# Altium PCB DM2097.PcbDoc (part 1 of 7) (continued)
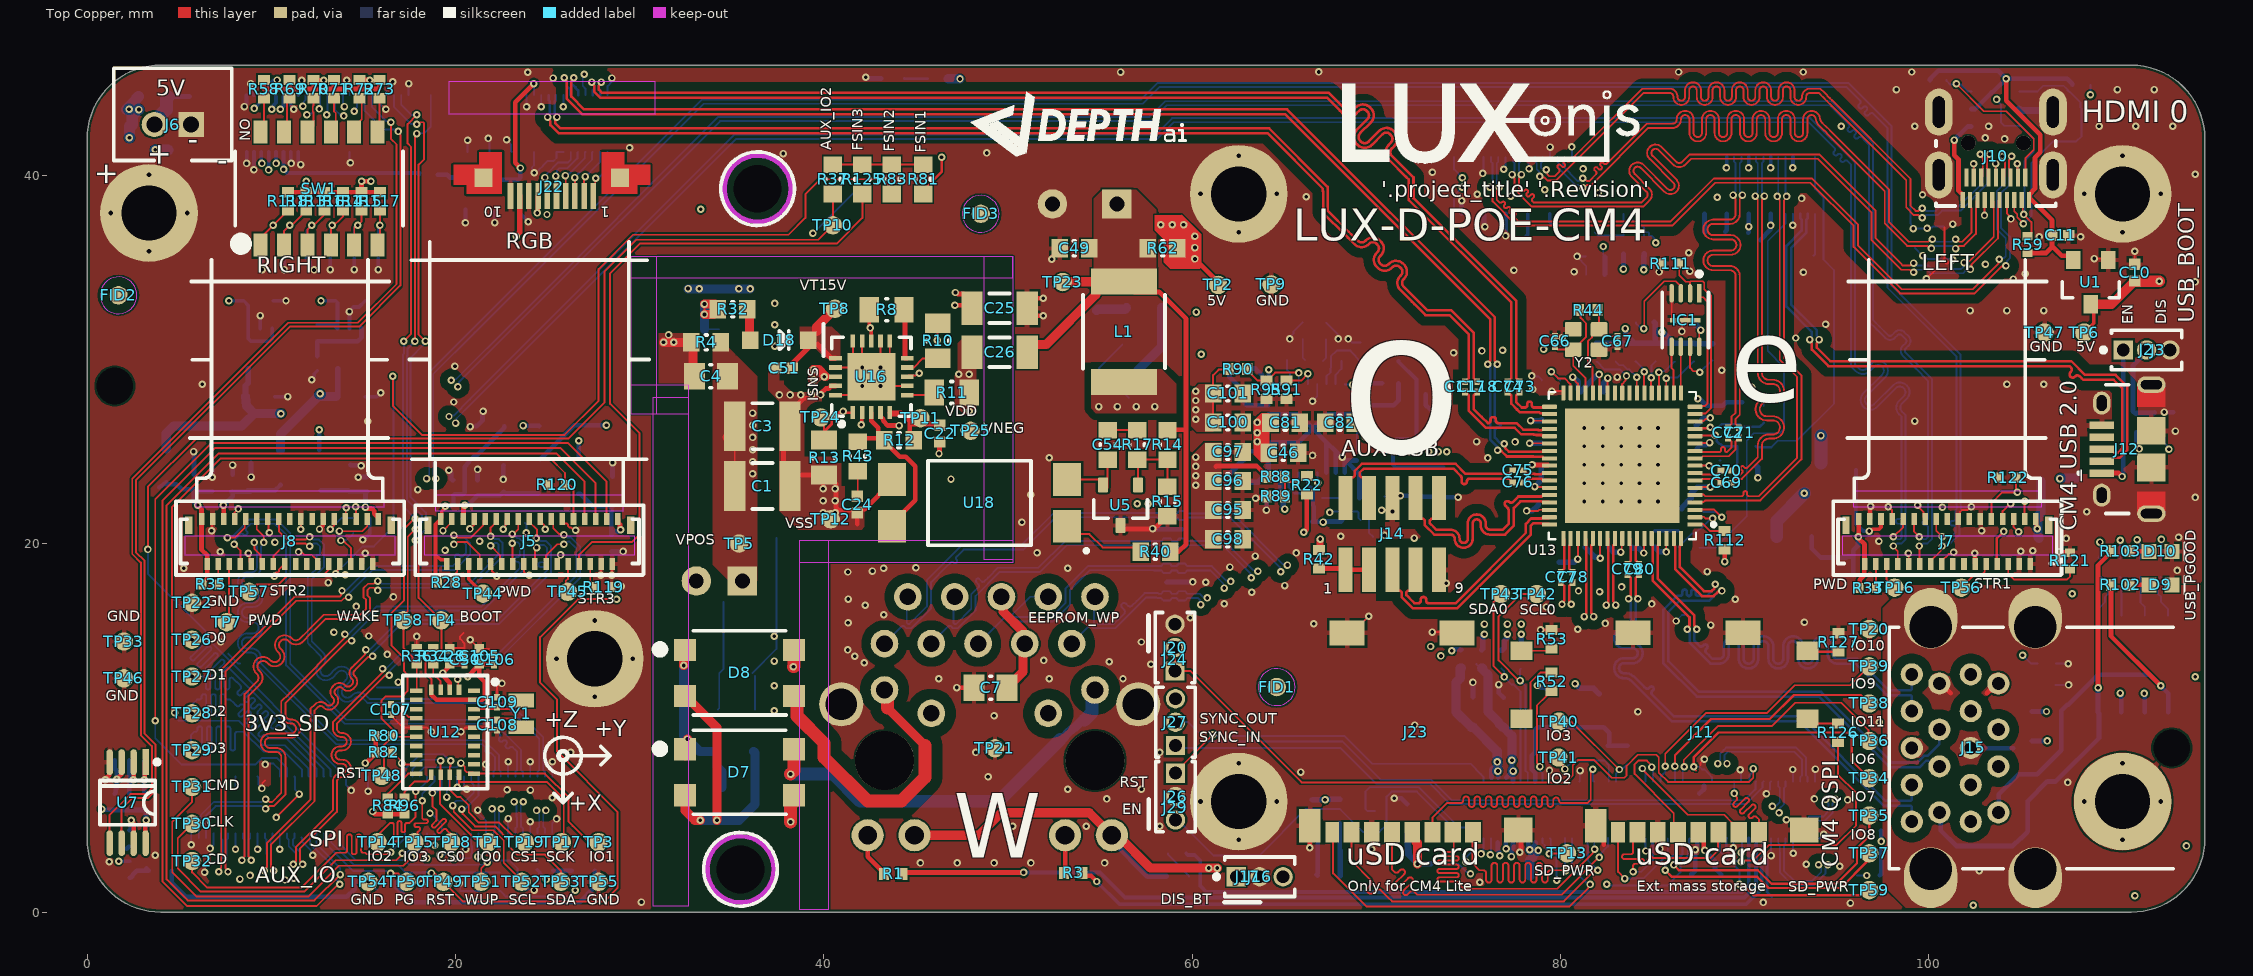
[diagram p0: Top Copper view]
## Classes and differential pairs
component class DM2097_EEPROM: C120 R128 R129 R130 R131 R132 R133 R134 U7
net class PoE_SELV: CT1 CT2 SP1 SP2
net class uSD2: SD2X_CLK SD2X_CMD SD2X_D0 SD2X_D1 SD2X_D2 SD2X_D3
net class USB_CM4: CM_USB_D_N CM_USB_D_P
net class PCIe: PCIE_CLK_N PCIE_CLK_P PCIE_RX_N PCIE_RX_P PCIE_TX_N PCIE_TX_P
net class USB_AUX: SSRX2_N SSRX2_P SSTX2_N SSTX2_P USBD2_N USBD2_P
net class USB_SOM: SSRX1'_N SSRX1'_P SSRX1_N SSRX1_P SSTX1'_N SSTX1'_P SSTX1_N SSTX1_P USBD1_N USBD1_P
net class USB_CON2: SSRX4_N SSRX4_P SSTX4_N SSTX4_P USBD4_N USBD4_P
net class USB_CON1: SSRX3_N SSRX3_P SSTX3_N SSTX3_P USBD3_N USBD3_P
component class DM2097_IMU: C28 C30 C105 C106 C107 C108 C109 R34 R36 R80 R82 R84 R96 TP4 TP48 TP58 U12 Y1
component class U_CONNECTOR_B: C111 C112 C117 C118 J21 R51 R74 TP6
differential pair class 90ohm: CM_USB_D SSRX1 SSRX1' SSRX2 SSRX3 SSRX4 SSTX1 SSTX1' SSTX2 SSTX2' SSTX3 SSTX3' SSTX4 SSTX4' USBD1 USBD2 USBD3 USBD4
component class DM2097_PoE: C1 C2 C3 C4 C5 C22 C24 C25 C26 C47 C48 C49 C51 C52 C53 C54 D15 D16 D18 FB10 FB11 L1 R4 R8 R10 R11 R12 R13 R14 R15 R17 R23 R32 R40 R43 T1 TP5 TP8 TP9 TP11 TP12 TP23 TP24 TP25 U5 U16 U18
net class PoE: NetC48_2 SWO VNEG VNEG_IN VPOS VPOS_IN VSEC VSS
net class ETH: TRD1_N TRD1_P TRD2_N TRD2_P TRD3_N TRD3_P TRD4_N TRD4_P
component class DM2097_CM4: C6 C89 C91 C92 D4 D5 J9 J16 J17 J20 J24 J26 J27 J29 R7 R9 R16 R54 R55 R56 R57 R63 R66 R100 R101 TP34 TP35 TP36 TP37 TP38 TP39 TP40 TP41 TP42 TP43 U11
net class SPI: GPIO8/SPI0_CS_1 SPI0_CS_0 SPI0_SCK SPI0_SIO0 SPI0_SIO1 SPI0_SIO2 SPI0_SIO3
net class SDIO: SD_HST0_CD SD_HST0_CLK SD_HST0_CMD SD_HST0_D0 SD_HST0_D1 SD_HST0_D2 SD_HST0_D3
polygon class OuterGND: GND_L01_P775 GND_L06_P803
net class uSD: SDX_CLK SDX_CMD SDX_D0 SDX_D1 SDX_D2 SDX_D3
net class HDMI: HDMI_CLK_N HDMI_CLK_P HDMI_D0_N HDMI_D0_P HDMI_D1_N HDMI_D1_P HDMI_D2_N HDMI_D2_P
component class DM2097_RIGHT_OV9282: C36 C37 C38 C40 C44 C50 FB5 FB7 FB9 J8 R35 R123 R124 TP7 TP57
differential pair class 100ohm: HDMI_CLK HDMI_D0 HDMI_D1 HDMI_D2 MIPI_RX2_C MIPI_RX2_D0 MIPI_RX2_D1 MIPI_RX3_C MIPI_RX3_D0 MIPI_RX3_D1 MIPI_RX4_C MIPI_RX4_D0 MIPI_RX4_D1 MIPI_RX5_D0 MIPI_RX5_D1 PCIE_CLK PCIE_RX PCIE_TX PCIERX PCIETX TRD1 TRD2 TRD3 TRD4
component class DM2097_CM4_HS: J13 R64
component class DM2097_BOOT_AUX_uSD: C87 C119 J11 J22 J23 R52 R53 R58 R69 R70 R71 R72 R73 R76 R77 R78 R79 R85 R86 R113 R114 R115 R116 R117 R118 R126 R127 SW1 TP13 TP59
component class DM2097_LEFT_OV9282: C29 C31 C32 C33 C34 C35 FB4 FB6 FB8 J7 R33 R37 R81 R83 R121 R122 R125 TP16 TP56
component class DM2097_Power_Supply: C8 C18 C19 C21 C39 C41 C42 C43 C45 C46 C81 C82 C83 C84 C85 C86 C88 C93 C94 C95 C96 C97 C98 C99 C100 C101 C102 C103 C104 D6 J6 L2 L5 L6 R22 R30 R31 R62 R65 R67 R68 R88 R89 R90 R91 R92 R93 R94 R95 R109 tc TP2 U8 U9 U10
component class DM2097_IMX378: C12 C13 C14 C15 C16 C17 FB1 FB2 FB3 J5 R28 R119 R120 TP44 TP45
component class DM2097_HUB: C9 C20 C23 C27 C55 C56 C57 C58 C59 C60 C61 C62 C63 C64 C65 C66 C67 C68 C69 C70 C71 C72 C73 C74 C75 C76 C77 C78 C79 C80 C90 C110 C113 C114 C115 C116 D3 D9 D10 IC1 J12 J14 J15 R6 R19 R20 R24 R25 R38 R39 R41 R42 R44 R45 R46 R47 R48 R49 R87 R97 R98 R99 R102 R103 R104 R105 R106 R107 R110 R111 R112 U6 U13 Y2
component class DM2097_HDMI: C10 C11 J10 Q3 Q4 R26 R27 R59 R60 R61 U1 U2
component class DM2097_RJ45: C7 D1 D2 D7 D8 D17 J4 R1 R3 R5
component class U_CONNECTOR_A: B1 D11 D12 J1 M1 MTG5 MTG6 MTG7 MTG8 MTG9 MTG10 Q2 Q6 R18 R21 R50 R75 R108 TP1 TP3 TP10 TP14 TP15 TP17 TP18 TP19 TP20 TP21 TP22 TP26 TP27 TP28 TP29 TP30 TP31 TP32 TP33 TP46 TP47 TP49 TP50 TP51 TP52 TP53 TP54 TP55
component class DM2097_BootSel: J2 J3 Q1 R2
net class MIPI_CAM_C: MIPI_RX3_C_N MIPI_RX3_C_P MIPI_RX3_D0_N MIPI_RX3_D0_P MIPI_RX3_D1_N MIPI_RX3_D1_P
net class MIPI_CAM_B: MIPI_RX2_C_N MIPI_RX2_C_P MIPI_RX2_D0_N MIPI_RX2_D0_P MIPI_RX2_D1_N MIPI_RX2_D1_P
net class MIPI_CAM_A: MIPI_RX4_C_N MIPI_RX4_C_P MIPI_RX4_D0_N MIPI_RX4_D0_P MIPI_RX4_D1_N MIPI_RX4_D1_P MIPI_RX5_D0_N MIPI_RX5_D0_P MIPI_RX5_D1_N MIPI_RX5_D1_P
net class Power_trace: 1V2 1V2_L 1V2_R 1V05 1V05_IMX378 1V8 1V8_IMX378 1V8_L 1V8_R 2V8 2V8_IMX378 2V8_L 2V8_R 3V3 5V_PoE CM_3V3 GPIO0-27_VREF H5V NetC8_2 VBUS VBUS_USB3 VBUS_USB4 VBUSB VDD_5V
component class DM2097_TopLevel: FID1 FID2 FID3 FID4 FID5 FID6
differential pair SSRX1': +SSRX1'_P -SSRX1'_N
differential pair USBD1: +USBD1_P -USBD1_N
differential pair SSTX4: +SSTX4_P -SSTX4_N
differential pair SSTX4': +SSTX4'_P -SSTX4'_N
differential pair SSTX3: +SSTX3_P -SSTX3_N
differential pair SSTX3': +SSTX3'_P -SSTX3'_N
differential pair SSTX2: +SSTX2_P -SSTX2_N
differential pair SSTX2': +SSTX2'_P -SSTX2'_N
differential pair SSTX1: +SSTX1_P -SSTX1_N
differential pair SSTX1': +SSTX1'_P -SSTX1'_N
differential pair SSRX4: +SSRX4_P -SSRX4_N
differential pair SSRX3: +SSRX3_P -SSRX3_N
differential pair SSRX2: +SSRX2_P -SSRX2_N
differential pair SSRX1: +SSRX1_P -SSRX1_N
differential pair PCIETX: +PCIETX_P -PCIETX_N
differential pair PCIERX: +PCIERX_P -PCIERX_N
differential pair PCIE_TX: +PCIE_TX_P -PCIE_TX_N
differential pair PCIE_RX: +PCIE_RX_P -PCIE_RX_N
differential pair PCIE_CLK: +PCIE_CLK_P -PCIE_CLK_N
differential pair MIPI_RX5_D1: +MIPI_RX5_D1_P -MIPI_RX5_D1_N
differential pair MIPI_RX5_D0: +MIPI_RX5_D0_P -MIPI_RX5_D0_N
differential pair MIPI_RX4_D1: +MIPI_RX4_D1_P -MIPI_RX4_D1_N
differential pair MIPI_RX4_D0: +MIPI_RX4_D0_P -MIPI_RX4_D0_N
differential pair MIPI_RX4_C: +MIPI_RX4_C_P -MIPI_RX4_C_N
differential pair CM_USB_D: +CM_USB_D_P -CM_USB_D_N
differential pair USBD4: +USBD4_P -USBD4_N
differential pair USBD3: +USBD3_P -USBD3_N
differential pair TRD4: +TRD4_P -TRD4_N
differential pair TRD3: +TRD3_P -TRD3_N
differential pair TRD2: +TRD2_P -TRD2_N
differential pair TRD1: +TRD1_P -TRD1_N
differential pair HDMI_D1: +HDMI_D1_P -HDMI_D1_N
differential pair USBD2: +USBD2_P -USBD2_N
differential pair HDMI_D2: +HDMI_D2_P -HDMI_D2_N
differential pair HDMI_D0: +HDMI_D0_P -HDMI_D0_N
differential pair HDMI_CLK: +HDMI_CLK_P -HDMI_CLK_N
differential pair MIPI_RX3_D1: +MIPI_RX3_D1_P -MIPI_RX3_D1_N
differential pair MIPI_RX3_D0: +MIPI_RX3_D0_P -MIPI_RX3_D0_N
differential pair MIPI_RX3_C: +MIPI_RX3_C_P -MIPI_RX3_C_N
differential pair MIPI_RX2_D1: +MIPI_RX2_D1_P -MIPI_RX2_D1_N
differential pair MIPI_RX2_D0: +MIPI_RX2_D0_P -MIPI_RX2_D0_N
differential pair MIPI_RX2_C: +MIPI_RX2_C_P -MIPI_RX2_C_N

## Components (designator, comment, footprint, x,y, rotation, side; value= is the part's Value field where it differs from the comment)
B1 "Off-Mom, 50mA" DTSM-32N-V 44.491,39.228 r180 bottom locked
C1 "1uF 1210" CAPC1210(3225)280_N 36.671,23.143 r180 top
C2 "12uF 6.3mm" EEU-FC2A120 34.334,17.987 r180 bottom locked
C3 "1uF 1210" CAPC1210(3225)280_N 36.671,26.394 r180 top
C4 "0.1UF 0805" CAPC0805(2012)145_N 33.877,29.112 r0 top
C5 "1nF 0603 C0G" CAPC0603(1608)100_N 54.019,32.675 r180 bottom
C6 "1uF 0402" CAPC0402(1005)70_N 79.075,8.684 r180 bottom
C7 "0.1UF 0805" CAPC0805(2012)145_N 49.058,12.191 r0 top
C8 "1uF 0402" CAPC0402(1005)70_L 5.9,44.3 r180 bottom
C9 "1nF 0603 C0G" CAPC0603(1608)100_N 79.604,22.123 r180 bottom
C10 "0.1uF 0402" CAPC0402(1005)70_N 111.195,34.726 r270 top
C11 "0.1uF 0402" CAPC0402(1005)70_N 107.15,36.75 r180 top
C12 "0.1uF 0402" CAPC0402(1005)70_L 21.2,23.017 r270 bottom
C13 "10uF 0603" CAPC0603(1608)100_L 22.62,23.467 r270 bottom
C14 "0.1uF 0402" CAPC0402(1005)70_L 28.47,20.04 r90 bottom
C15 "10uF 0603" CAPC0603(1608)100_L 28.54,22.84 r270 bottom
C16 "0.1uF 0402" CAPC0402(1005)70_L 19.89,23.017 r270 bottom
C17 "10uF 0603" CAPC0603(1608)100_L 21.1,25.6 r270 bottom
C18 "22uF 0603" CAPC0603(1608)100_L 2.3,42 r90 bottom
C19 "22uF 0603" CAPC0603(1608)100_L 5.1,41.4 r180 bottom
C20 "0.1uF 0402" CAPC0402(1005)70_N 86.944,26.441 r0 bottom
C21 "10uF 0603" CAPC0603(1608)100_N 14.3,33.2 r180 bottom
C22 "0.1uF 0402" CAPC0402(1005)60_N 46.289,25.986 r90 top
C23 "0.1uF 0402" CAPC0402(1005)70_N 81.099,27.826 r90 bottom
C24 "10nF 0402" CAPC0402(1005)60_N 41.82,22.135 r90 top
C25 "1nF 1206" CAPC1206(3216)190_N 49.547,32.795 r0 top
C26 "1nF 1206" CAPC1206(3216)190_N 49.547,30.408 r0 top
C27 "0.1uF 0402" CAPC0402(1005)70_N 85.141,20.269 r270 bottom
C28 "10uF 0402" CAPC0402(1005)70_L 19.7,13.9 r270 top
C29 "0.1uF 0402" CAPC0402(1005)70_N 95.6,21.1 r0 bottom
C30 "0.1uF 0201" CAPC0201(0603)33_L 20.5,13.7 r270 top
C31 "10uF 0603" CAPC0603(1608)100_N 95.2,22.5 r0 bottom
C32 "0.1uF 0402" CAPC0402(1005)70_N 106.45,20.3 r180 bottom
C33 "10uF 0603" CAPC0603(1608)100_N 106.9,21.7 r180 bottom
C34 "0.1uF 0402" CAPC0402(1005)70_N 95.6,19.8 r0 bottom
C35 "10uF 0603" CAPC0603(1608)100_N 95.1,18.3 r0 bottom
C36 "0.1uF 0402" CAPC0402(1005)70_L 7.9,23.25 r270 bottom
C37 "10uF 0603" CAPC0603(1608)100_L 8.9,23.6 r270 bottom
C38 "0.1uF 0402" CAPC0402(1005)70_L 15.2,23.25 r270 bottom
C39 "10uF 0603" CAPC0603(1608)100_N 14.3,28 r180 bottom
C40 "10uF 0603" CAPC0603(1608)100_L 14.2,23.6 r270 bottom
C41 "10uF 0603" CAPC0603(1608)100_N 9.3,33.2 r180 bottom
C42 "10uF 0603" CAPC0603(1608)100_N 9.4,28 r180 bottom
C43 "2.2uF 0402" CAPC0402(1005)70_N 66.073,21.209 r180 bottom
C44 "0.1uF 0402" CAPC0402(1005)70_L 5.8,23.25 r270 bottom
C45 "47nF 0402" CAPC0402(1005)70_N 70.764,28.727 r0 bottom
C46 "22uF 0603" CAPC0603(1608)100_N 64.96,24.94 r0 top
C47 "1000uF 8mm" ECA-0JM102 54.172,38.459 r180 bottom locked
C48 "100uF 1206" CAPC1206(3216)190_N 57.499,25.912 r0 bottom
C49 "22NF 0603" CAPC0603(1608)100_N 53.613,36.046 r0 top
C50 "10uF 0603" CAPC0603(1608)100_L 6.8,23.6 r270 bottom
C51 "1uF 0402" CAPC0402(1005)70_N 37.839,29.54 r0 top
C52 "0.1UF 0805" CAPC0805(2012)145_N 35.376,6.786 r180 bottom
C53 "0.1UF 0805" CAPC0805(2012)145_N 35.223,12.983 r180 bottom
C54 "2.2nF 0603" CAPC0603(1608)100_N 55.414,25.376 r90 top
C55 "0.1uF 0402" CAPC0402(1005)70_N 86.995,23.089 r0 bottom
C56 "1uF 0402" CAPC0402(1005)70_N 79.408,25.476 r180 bottom
C57 "10uF 0402" CAPC0402(1005)70_N 81.356,20.262 r270 bottom
C58 "1nF 0603 C0G" CAPC0603(1608)100_N 79.934,19.812 r270 bottom
C59 "0.1uF 0402" CAPC0402(1005)70_N 82.352,27.826 r90 bottom
C60 "0.1uF 0402" CAPC0402(1005)70_N 82.626,20.262 r270 bottom
C61 "0.1uF 0402" CAPC0402(1005)70_N 79.408,24.206 r180 bottom
C62 "0.1uF 0402" CAPC0402(1005)70_N 83.871,20.262 r270 bottom
C63 "1uF 0402" CAPC0402(1005)70_N 79.433,26.746 r180 bottom
C64 "10uF 0402" CAPC0402(1005)70_N 86.951,25.176 r0 bottom
C65 "1uF 0402" CAPC0402(1005)70_N 91.044,27.026 r270 bottom
C66 "33pF 0201" CAPC0201(0603)33_L 79.7,31 r270 top
C67 "33pF 0201" CAPC0201(0603)33_L 83.1,31 r90 top
C68 "10uF 0402" CAPC0402(1005)70_N 86.411,20.269 r270 bottom
C69 "0.1uF 0201" CAPC0201(0603)33_L 89.001,23.317 r180 top
C70 "0.1uF 0201" CAPC0201(0603)33_L 89.001,23.978 r180 top
C71 "0.1uF 0201" CAPC0201(0603)33_L 89.71,26.035 r270 top
C72 "0.1uF 0201" CAPC0201(0603)33_L 89.103,26.035 r270 top
C73 "0.1uF 0201" CAPC0201(0603)33_L 77.79,28.53 r90 top
C74 "0.1uF 0201" CAPC0201(0603)33_L 77.14,28.53 r90 top
C75 "0.1uF 0201" CAPC0201(0603)33_L 77.699,24.003 r180 top
C76 "0.1uF 0201" CAPC0201(0603)33_L 77.698,23.343 r180 top
C77 "0.1uF 0201" CAPC0201(0603)33_L 80.021,18.186 r270 top
C78 "0.1uF 0201" CAPC0201(0603)33_L 80.67,18.186 r270 top
C79 "0.1uF 0201" CAPC0201(0603)33_L 83.642,18.618 r270 top
C80 "0.1uF 0201" CAPC0201(0603)33_L 84.277,18.618 r270 top
C81 "22uF 0603" CAPC0603(1608)100_N 65.06,26.585 r0 top
C82 "22uF 0603" CAPC0603(1608)100_N 68.025,26.58 r180 top
C83 "22uF 0603" CAPC0603(1608)100_N 70.46,23.381 r270 bottom
C84 "22uF 0603" CAPC0603(1608)100_N 73.655,23.358 r270 bottom
C85 "22uF 0603" CAPC0603(1608)100_N 72.923,26.505 r90 bottom
C86 "22uF 0603" CAPC0603(1608)100_N 72.061,23.362 r270 bottom
C87 "4.7uF 0603" CAPC0603(1608)100_N 71.69,5.075 r270 bottom
C88 "0.1uF 0402" CAPC0402(1005)70_L 12.5,29.8 r90 bottom
C89 "22uF 0603" CAPC0603(1608)100_N 75.22,10.84 r90 bottom
C90 "0.1uF 0402" CAPC0402(1005)70_N 106.425,12.33 r0 bottom
C91 "22uF 0603" CAPC0603(1608)100_N 76.925,10.84 r90 bottom
C92 "22uF 0603" CAPC0603(1608)100_N 77.335,2.05 r180 bottom
C93 "47nF 0402" CAPC0402(1005)70_N 62.323,23.349 r180 bottom
C94 "10nF 0402" CAPC0402(1005)60_N 64.507,22.486 r180 bottom
C95 "22uF 0603" CAPC0603(1608)100_N 61.945,21.844 r0 top
C96 "22uF 0603" CAPC0603(1608)100_N 61.945,23.419 r0 top
C97 "22uF 0603" CAPC0603(1608)100_N 61.945,24.994 r0 top
C98 "22uF 0603" CAPC0603(1608)100_N 61.945,20.244 r0 top
C99 "47nF 0402" CAPC0402(1005)70_N 62.297,29.522 r180 bottom
C100 "22uF 0603" CAPC0603(1608)100_N 61.945,26.594 r0 top
C101 "22uF 0603" CAPC0603(1608)100_N 61.945,28.169 r0 top
C102 "10nF 0402" CAPC0402(1005)60_N 66.014,31.584 r90 bottom
C103 "10nF 0402" CAPC0402(1005)60_N 68.64,22.486 r0 bottom
C104 "10nF 0402" CAPC0402(1005)60_N 67.284,31.558 r90 bottom
C105 "10uF 0402" CAPC0402(1005)70_L 21.3,13.9 r270 top
C106 "0.1uF 0201" CAPC0201(0603)33_L 22.1,13.7 r270 top
C107 "0.1uF 0201" CAPC0201(0603)33_L 16.5,11 r270 top
C108 "18pF 0201" CAPC0201(0603)33_L 22.26,10.156 r90 top
C109 "18pF 0201" CAPC0201(0603)33_L 22.26,11.402 r270 top
C110 "0.1uF 0402" CAPC0402(1005)70_N 86.708,32.029 r0 bottom
C111 "10uF 0603" CAPC0603(1608)100_N 22.15,38.975 r90 bottom
C112 "10uF 0603" CAPC0603(1608)100_N 20.55,38.975 r90 bottom
C113 "22uF 0603" CAPC0603(1608)100_N 106.176,5.988 r0 bottom
C114 "22uF 0603" CAPC0603(1608)100_N 106.162,4.395 r0 bottom
C115 "22uF 0603" CAPC0603(1608)100_N 106.4,9.3 r180 bottom
C116 "22uF 0603" CAPC0603(1608)100_N 106.4,10.9 r180 bottom
C117 "0.1uF 0201" CAPC0201(0603)33_L 74.83,28.53 r270 top
C118 "0.1uF 0201" CAPC0201(0603)33_L 75.49,28.53 r270 top
C119 "4.7uF 0603" CAPC0603(1608)100_N 87.925,2.05 r0 bottom
C120 "0.1uF 0402" CAPC0402(1005)70_L 3.2,4 r90 bottom
D1 "TPD4E02B04DQAR" TPD4E02B04DQAR 59.034,17.927 r90 bottom
D2 "TPD4E02B04DQAR" TPD4E02B04DQAR 59.06,20.789 r270 bottom
D3 "BAS16XV2T1G" BAS16XV2T1G 89.87,27.03 r270 bottom
D4 "GREEN 0603" SML_D1xx8W 96.725,2 r0 bottom
D5 "RED 0603" SML_D1xx8W 67.437,2 r180 bottom
D6 "RED 0603" SML_D1xx8W 43.74,45.275 r0 bottom
D7 "CD-HD01" CD-H01 35.425,7.6 r90 top
D8 "CD-HD01" CD-H01 35.426,13 r90 top
D9 "GREEN 0603" SML_D1xx8W 112.586,17.773 r180 top
D10 "GREEN 0603" SML_D1xx8W 112.586,19.593 r180 top
D11 "ORANGE 0603" SML_D1xx8W 3.975,2.25 r180 bottom
D12 "ORANGE 0603" SML_D1xx8W 26.95,2.25 r180 bottom
D15 "PDS1040" PDS1040-13 55.95,29.449 r180 bottom locked
D16 "RS1B" RS1B 31.413,30.281 r270 bottom
D17 "GREEN 0603" SML_D1xx8W 59.219,1.945 r180 bottom
D18 "1N4148W" 1N4148W-7-F 37.592,31.064 r180 top
FB1 "600R/100MHz" 2508056017Y2 23.6,26.4 r180 bottom
FB2 "600R/100MHz" 2508056017Y2 26.675,23.667 r270 bottom
FB3 "600R/100MHz" 2508056017Y2 24.51,23.667 r270 bottom
FB4 "600R/100MHz" 2508056017Y2 92.7,20.4 r0 bottom
FB5 "600R/100MHz" 2508056017Y2 4.3,24.15 r270 bottom
FB6 "600R/100MHz" 2508056017Y2 107.075,23.575 r180 bottom
FB7 "600R/100MHz" 2508056017Y2 12.6,24.15 r270 bottom
FB8 "600R/100MHz" 2508056017Y2 95.1,24.4 r0 bottom
FB9 "600R/100MHz" 2508056017Y2 10.5,24.15 r270 bottom
FB10 "700R/150Mhz" 742792040 34.207,9.834 r90 bottom
FB11 "700R/150Mhz" 742792040 36.188,9.834 r90 bottom
FID1 "FIDUCIAL_ROUND_1MM" FIDUCIAL_ROUND_1MM 64.6,12.225 r90 top
FID2 "FIDUCIAL_ROUND_1MM" FIDUCIAL_ROUND_1MM 1.7,33.5 r0 top
FID3 "FIDUCIAL_ROUND_1MM" FIDUCIAL_ROUND_1MM 48.525,37.925 r90 top
FID4 "FIDUCIAL_ROUND_1MM" FIDUCIAL_ROUND_1MM 109.1,1.8 r90 bottom
FID5 "FIDUCIAL_ROUND_1MM" FIDUCIAL_ROUND_1MM 67.65,35.175 r90 bottom
FID6 "FIDUCIAL_ROUND_1MM" FIDUCIAL_ROUND_1MM 4.75,30.675 r0 bottom
IC1 "MX25L1006EZUI-10G" MX25L1006EZUI-10G-Footprint-1 86.792,32.156 r270 top
J1 "DF40HC(3.0)-100DS-0.4V SOCKET" DF40HC-3.0-100DS-0.4V_minpad 15.46,5.828 r270 bottom locked
J2 "1.27MM PTH" GRPB031VWVN-RC 111.836,30.531 r0 top
J3 "1.27mm hdr shunt" M50-1900005 112.468,30.519 r0 top
J4 "802.3af PoE" TRJG0926HENL 49.015,8.239 r180 bottom locked
J5 "FH26W-33S-0.3SHW(60)" AC-PY004-IMX378 24,30 r0 top locked
J6 "B2B-PH-K-S(LF)(SN)" B2B-PH-K-S(LF)(SN) 4.65,43.325 r0 top locked
J7 "FH26W-33S-0.3SHW(60)" AC-PY003-OV9282 101,30 r0 top locked
J8 "FH26W-33S-0.3SHW(60)" AC-PY003-OV9282 11,30 r0 top locked
J9 "Raspberry Pi Compute Module 4" CM4-Connector-B 86.531,22.509 r270 bottom locked
J10 "685119248123" 685119248123 103.651,42.099 r180 top locked
J11 "uSD push/pull" 104031-0811 87.675,9.76 r0 top locked
J12 "Micro-B USB 2.0" 10118194-0001LF 110.748,25.147 r90 top locked
J13 "Raspberry Pi Compute Module 4" CM4-Connector-A 86.531,22.508 r270 bottom locked
J14 "20021121-00010T1LF" 20021121-00010T1LF 70.875,20.542 r0 top
J15 "GSB311231HR" GSB311231HR 107.715,8.919 r90 top locked
J16 "1.27MM PTH" GRPB031VWVN-RC 63.675,1.925 r0 top locked
J17 "1.27mm hdr shunt" M50-1900005 63.025,1.925 r180 top
J20 "1.27MM PTH" GRPB031VWVN-RC 59.075,14.37 r90 top
J21 "DF40HC(3.0)-100DS-0.4V SOCKET" DF40HC-3.0-100DS-0.4V_minpad 18.46,42.828 r270 bottom locked
J22 "SFV10R-2STE1HLF Top Contact" SFV10R-2STE1HLF 25.23,39.39 r180 top locked
J23 "uSD push/pull" 104031-0811 72.147,9.76 r0 top locked
J24 "1.27mm hdr shunt" M50-1900005 59.075,13.7 r270 top
J26 "1.27MM PTH" GRPB031VWVN-RC 59.1,6.28 r270 top
J27 "1.27MM PTH" GRPB031VWVN-RC 59.1,10.32 r90 top
J29 "1.27mm hdr shunt" M50-1900005 59.1,5.675 r270 top
L1 "1uH 2.9A" DO1608C-102MLx 56.305,31.525 r90 top locked
L2 "1uH, 3.2A, 20%" DFE252012P-1R0M=P2 70.908,26.524 r270 bottom
L5 "1uH, 3.2A, 20%" DFE252012P-1R0M=P2 61.831,25.204 r180 bottom
L6 "1uH, 3.2A, 20%" DFE252012P-1R0M=P2 61.831,27.667 r180 bottom
M1 "RE1C002UNTCL" RE1C002UNTCL 19.65,1.65 r270 bottom
MTG5 "M2, 3MM steel spacer on M2.5 mounting pad" 9774030943R 110.531,39.008 r0 bottom locked
MTG6 "M2, 3MM steel spacer on M2.5 mounting pad" 9774030943R 62.531,6.008 r0 bottom locked
MTG7 "M2, 3MM steel spacer on M2.5 mounting pad" 9774030943R 3.36,37.97 r0 bottom locked
MTG8 "M2, 3MM steel spacer on M2.5 mounting pad" 9774030943R 27.56,13.77 r0 bottom locked
MTG9 "M2, 3MM steel spacer on M2.5 mounting pad" 9774030943R 110.531,6.008 r180 bottom locked
MTG10 "M2, 3MM steel spacer on M2.5 mounting pad" 9774030943R 62.531,39.008 r180 bottom locked
Q1 "DMG1012T-7" DMG1012T-7 112.776,26.492 r270 bottom
Q2 "RE1C002UNTCL" RE1C002UNTCL 15.136,1.733 r270 bottom
Q3 "DMG1012T-7" DMG1012T-7 108.4,44.3 r270 bottom
Q4 "DMG1012T-7" DMG1012T-7 81.883,36.275 r90 bottom
Q6 "RE1C002UNTCL" RE1C002UNTCL 17.44,1.65 r270 bottom
R1 "470R 0402" RESC0402(1005)_N 43.764,2.083 r180 top
R2 "47K 0402" RESC0402(1005)_N 111.277,26.568 r90 bottom
R3 "470R 0402" RESC0402(1005)_N 53.543,2.134 r180 top
R4 "18K 0603" RESC0603(1608)_N 33.61,30.941 r0 top
R5 "470R 0402" RESC0402(1005)_N 59.185,3.195 r180 bottom
R6 "10K 0402" RESC0402(1005)_N 87.274,30.396 r90 bottom
R7 "0R 0603" RESC0603(1608)_N 82.109,11.062 r90 bottom
R8 "88.7K 0805" RESC0805(2012)_N 43.413,32.717 r0 top
R9 "0R 0603" RESC0603(1608)_N 79.499,11.062 r90 bottom
R10 "48.7R 0805" RESC0805(2012)_N 46.188,31.025 r270 top
R11 "24.3k 0805" RESC0805(2012)_N 46.95,28.221 r0 top
R12 "4.99k 0603" RESC0603(1608)_N 44.088,25.632 r0 top
R13 "0.62R 0805" RESC0805(2012)_N 40.015,24.69 r270 top
R14 "36.5k 0603" RESC0603(1608)_N 58.665,25.376 r90 top
R15 "12.1k 0603" RESC0603(1608)_N 58.659,22.303 r90 top
R16 "1.8K 0402" RESC0402(1005)_N 73.45,2.62 r180 bottom
R17 "0R 0603" RESC0603(1608)_N 57.014,25.376 r90 top
R18 "470R 0402" RESC0402(1005)_N 22.4,1.65 r90 bottom
R19 "10K 0402" RESC0402(1005)_N 85.166,30.396 r90 bottom
R20 "10K 0402" RESC0402(1005)_N 83.007,30.396 r90 bottom
R21 "1K 0402" RESC0402(1005)_L 2.323,2.326 r90 bottom
R22 "10K 0402" RESC0402(1005)_N 66.231,23.182 r270 top
R23 "6.8R 0805" RESC0805(2012)_N 57.397,32.821 r0 bottom
R24 "10K 0402" RESC0402(1005)_N 81.951,30.39 r90 bottom
R25 "6.04K 0402" RESC0402(1005)_L 79.439,28.867 r180 bottom
R26 "47K 0402" RESC0402(1005)_N 84.55,36.25 r270 bottom
R27 "100K 0402" RESC0402(1005)_N 83.432,36.25 r270 bottom
R28 "10K 0402" RESC0402(1005)_L 19.5,17.9 r0 top
R30 "1K 0402" RESC0402(1005)_N 46.16,45.265 r0 bottom
R31 "10K 0402" RESC0402(1005)_N 68.662,21.285 r180 bottom
R32 "10R 0603" RESC0603(1608)_N 35.052,32.741 r180 top
R33 "10K 0402" RESC0402(1005)_L 96.7,17.6 r180 top
R34 "10K 0402" RESC0402(1005)_L 18.799,13.9 r90 top
R35 "10K 0402" RESC0402(1005)_L 6.7,17.8 r180 top
R36 "10K 0402" RESC0402(1005)_L 17.9,13.9 r90 top
R37 "22R 0603" RESC0603(1608)_N 40.5,39.8 r90 top
R38 "10K 0402" RESC0402(1005)_N 90.153,24.206 r0 bottom
R39 "1K 0402" RESC0402(1005)_L 88.697,24.975 r270 bottom value=1k
R40 "2.05k 0603" RESC0603(1608)_N 58.014,19.583 r0 top
R41 "10K 0402" RESC0402(1005)_N 88.77,27.01 r270 bottom
R42 "0R 0402" RESC0402(1005)_N 66.884,19.163 r90 top
R43 "0R 0603" RESC0603(1608)_N 41.845,24.755 r90 top
R44 "1M 0402" RESC0402(1005)_N 81.509,32.69 r180 top
R45 "0R 0402" RESC0402(1005)_N 87.554,20.295 r90 bottom
R46 "10K 0402" RESC0402(1005)_N 87.097,21.92 r0 bottom
R47 "0R 0402" RESC0402(1005)_N 90.119,25.298 r180 bottom
R48 "10K 0402" RESC0402(1005)_N 84.607,32.029 r0 bottom
R49 "100K 0402" RESC0402(1005)_L 88.264,30.408 r90 bottom
R50 "10K 0402" RESC0402(1005)_L 23.375,1.675 r90 bottom
R51 "0R 0402" RESC0402(1005)_N 18.534,40.04 r180 bottom
R52 "0R 0402" RESC0402(1005)_N 79.525,12.525 r270 top
R53 "0R 0402" RESC0402(1005)_N 79.525,14.825 r270 top
R54 "1.8K 0402" RESC0402(1005)_N 82.58,8.535 r90 bottom
R55 "1.8K 0402" RESC0402(1005)_N 83.83,8.535 r90 bottom
R56 "1.8K 0402" RESC0402(1005)_N 77.86,13.72 r90 bottom
R57 "1.8K 0402" RESC0402(1005)_N 76.795,13.735 r90 bottom
R58 "1K 0402" RESC0402(1005)_N 9.596,44.7 r90 top
R59 "1.8K 0402" RESC0402(1005)_L 105.375,36.25 r270 top
R60 "1.8K 0402" RESC0402(1005)_L 100.52,45.19 r180 bottom
R61 "100K 0402" RESC0402(1005)_N 81.908,34.624 r0 bottom
R62 "0R 0603" RESC0603(1608)_N 58.4,36.055 r0 top
R63 "0R 0402" RESC0402(1005)_N 74.63,13.76 r270 bottom
R64 "1K 0402" RESC0402(1005)_N 93.751,35.154 r90 bottom
R65 "0R 0603" RESC0603(1608)_N 3.6,44.3 r180 bottom
R66 "0R 0402" RESC0402(1005)_N 75.72,13.75 r270 bottom
R67 "45.3K 0402" RESC0402(1005)_N 70.714,29.947 r0 bottom
R68 "10K 0402" RESC0402(1005)_N 69.164,30.429 r270 bottom
R69 "1K 0402" RESC0402(1005)_N 11,44.7 r90 top
R70 "1K 0402" RESC0402(1005)_N 12.3,44.7 r90 top
R71 "1K 0402" RESC0402(1005)_N 13.4,44.7 r90 top
R72 "1K 0402" RESC0402(1005)_N 14.8,44.7 r90 top
R73 "1K 0402" RESC0402(1005)_N 15.87,44.7 r90 top
R74 "10K 0402" RESC0402(1005)_N 23.5,39.375 r90 bottom
R75 "10K 0402" RESC0402(1005)_N 21.3,1.65 r90 bottom
R76 "10K 0402" RESC0402(1005)_N 9.5,36 r270 bottom
R77 "10K 0402" RESC0402(1005)_N 10.7,36 r270 bottom
R78 "10K 0402" RESC0402(1005)_N 11.9,36 r270 bottom
R79 "10K 0402" RESC0402(1005)_N 13.2,36 r270 bottom
R80 "10K 0402" RESC0402(1005)_L 16.12,9.57 r180 top
R81 "0R 0603" RESC0603(1608)_N 45.4,39.8 r270 top
R82 "10K 0402" RESC0402(1005)_L 16.12,8.69 r180 top
R83 "0R 0603" RESC0603(1608)_N 43.7,39.8 r270 top
R84 "2.2K 0402" RESC0402(1005)_L 16.325,5.775 r90 top
R85 "10K 0402" RESC0402(1005)_N 14.5,36 r270 bottom
R86 "10K 0402" RESC0402(1005)_N 15.802,36 r270 bottom
R87 "10K 0402" RESC0402(1005)_N 86.236,30.392 r90 bottom
R88 "10K 0402" RESC0402(1005)_N 64.55,23.637 r180 top
R89 "13.3K 0402" RESC0402(1005)_N 64.55,22.578 r0 top
R90 "20K 0402" RESC0402(1005)_N 62.495,29.489 r180 top
R91 "24.9K 0402" RESC0402(1005)_N 65.126,28.372 r90 top
R92 "33K 0402" RESC0402(1005)_N 65.65,29.979 r180 bottom
R93 "56K 0402" RESC0402(1005)_N 66.565,22.486 r180 bottom
R94 "56K 0402" RESC0402(1005)_N 67.614,29.94 r0 bottom
R95 "10K 0402" RESC0402(1005)_N 64.033,28.372 r90 top
R96 "2.2K 0402" RESC0402(1005)_L 17.225,5.775 r90 top
R97 "10K 0402" RESC0402(1005)_N 84.074,30.396 r90 bottom
R98 "0R 0402" RESC0402(1005)_N 109.3,18.7 r90 bottom
R99 "0R 0402" RESC0402(1005)_N 112.6,18.7 r90 bottom
R100 "1K 0402" RESC0402(1005)_N 97.425,3.761 r90 bottom
R101 "1K 0402" RESC0402(1005)_N 66.542,5.612 r90 bottom
R102 "470R 0402" RESC0402(1005)_N 110.403,17.777 r180 top
R103 "470R 0402" RESC0402(1005)_N 110.403,19.605 r180 top
R104 "1K 0402" RESC0402(1005)_L 109.3,17.3 r0 bottom value=1k
R105 "1K 0402" RESC0402(1005)_L 112.9,17.3 r180 bottom value=1k
R106 "0R 0402" RESC0402(1005)_N 110.4,18.7 r90 bottom
R107 "0R 0402" RESC0402(1005)_N 111.5,18.7 r90 bottom
R108 "1K 0402" RESC0402(1005)_L 24.9,2.3 r180 bottom
R109 "45.3K 0402" RESC0402(1005)_L 12.5,31.45 r90 bottom
R110 "332R 0402" RESC0402(1005)_N 106.423,13.5 r0 bottom
R111 "100K 0402" RESC0402(1005)_L 85.979,35.223 r0 top
R112 "10K 0402" RESC0402(1005)_N 88.92,20.21 r270 top
R113 "10K 0402" RESC0402(1005)_N 11.9,38.6 r270 top
R114 "10K 0402" RESC0402(1005)_N 13.9,38.6 r270 top
R115 "10K 0402" RESC0402(1005)_N 14.9,38.6 r270 top
R116 "10K 0402" RESC0402(1005)_N 12.9,38.6 r270 top
R117 "10K 0402" RESC0402(1005)_N 15.9,38.6 r270 top
R118 "10K 0402" RESC0402(1005)_N 10.9,38.6 r270 top
R119 "10K 0402" RESC0402(1005)_L 28.03,17.66 r0 top
R120 "10K 0402" RESC0402(1005)_L 25.5,23.2 r180 top
R121 "10K 0402" RESC0402(1005)_L 107.675,19.075 r270 top
R122 "10K 0402" RESC0402(1005)_L 104.3,23.6 r180 top
R123 "10K 0402" RESC0402(1005)_L 14.9,20.6 r180 bottom
R124 "10K 0402" RESC0402(1005)_L 14.9,21.4 r180 bottom
R125 "0R 0603" RESC0603(1608)_N 42.1,39.8 r270 top
R126 "0R 0402" RESC0402(1005)_N 95.075,9.75 r270 top
R127 "0R 0402" RESC0402(1005)_N 95.1,14.65 r270 top
R128 "10K 0402" RESC0402(1005)_L 3.2,6 r270 bottom
R129 "10K 0402" RESC0402(1005)_L 2.292,5.993 r270 bottom
R130 "10K 0402" RESC0402(1005)_L 1.4,6 r270 bottom
R131 "1K 0402" RESC0402(1005)_L 2.3,4 r90 bottom
R132 "10K 0402" RESC0402(1005)_L 3.2,8.7 r270 bottom
R133 "10K 0402" RESC0402(1005)_L 2.3,8.7 r270 bottom
R134 "10K 0402" RESC0402(1005)_L 1.4,8.7 r270 bottom
SW1 "A6H-6102 DIP SW" A6H-610x 12.6,39.3 r90 top locked
T1 "749119950" 749119950 42.584,29.159 r270 bottom locked
TP1 "TP100_200_NS" TP100_200_NS 21.775,3.8 r0 top
TP2 "TP100_200_NS" TP100_200_NS 61.424,34.063 r90 top
TP3 "TP100_200_NS" TP100_200_NS 27.775,3.8 r0 top
TP4 "TP100_200_NS" TP100_200_NS 19.225,15.85 r90 top
TP5 "TP100_200_NS" TP100_200_NS 35.401,20.019 r0 top
TP6 "TP100_200_NS" TP100_200_NS 108.45,31.475 r0 top
TP7 "TP100_200_NS" TP100_200_NS 7.575,15.75 r90 top
TP8 "TP100_200_NS" TP100_200_NS 40.608,32.77 r90 top
TP9 "TP100_200_NS" TP100_200_NS 64.304,34.09 r90 top
TP10 "TP100_200_NS" TP100_200_NS 40.5,37.3 r180 top
TP11 "TP100_200_NS" TP100_200_NS 45.256,26.826 r90 top
TP12 "TP100_200_NS" TP100_200_NS 40.379,21.34 r90 top
TP13 "TP100_200_NS" TP100_200_NS 80.366,3.2 r180 top
TP14 "TP100_200_NS" TP100_200_NS 15.775,3.8 r90 top
TP15 "TP100_200_NS" TP100_200_NS 17.775,3.8 r90 top
TP16 "TP100_200_NS" TP100_200_NS 98.15,17.625 r90 top
TP17 "TP100_200_NS" TP100_200_NS 25.775,3.8 r90 top
TP18 "TP100_200_NS" TP100_200_NS 19.775,3.8 r90 top
TP19 "TP100_200_NS" TP100_200_NS 23.775,3.8 r90 top
TP20 "TP100_200_NS" TP100_200_NS 96.775,15.375 r90 top
TP21 "TP100_200_NS" TP100_200_NS 49.3,8.9 r90 top
TP22 "TP100_200_NS" TP100_200_NS 5.7,16.8 r90 top
TP23 "TP100_200_NS" TP100_200_NS 52.978,34.218 r90 top
TP24 "TP100_200_NS" TP100_200_NS 39.845,26.868 r90 top
TP25 "TP100_200_NS" TP100_200_NS 47.974,26.14 r90 top
TP26 "TP100_200_NS" TP100_200_NS 5.7,14.8 r90 top
TP27 "TP100_200_NS" TP100_200_NS 5.7,12.8 r90 top
TP28 "TP100_200_NS" TP100_200_NS 5.7,10.8 r90 top
TP29 "TP100_200_NS" TP100_200_NS 5.7,8.8 r90 top
TP30 "TP100_200_NS" TP100_200_NS 5.7,4.8 r90 top
TP31 "TP100_200_NS" TP100_200_NS 5.7,6.8 r90 top
TP32 "TP100_200_NS" TP100_200_NS 5.7,2.777 r90 top
TP33 "TP100_200_NS" TP100_200_NS 2,14.7 r90 top
TP34 "TP100_200_NS" TP100_200_NS 96.775,7.275 r90 top
TP35 "TP100_200_NS" TP100_200_NS 96.775,5.25 r90 top
TP36 "TP100_200_NS" TP100_200_NS 96.775,9.298 r90 top
TP37 "TP100_200_NS" TP100_200_NS 96.775,3.2 r90 top
TP38 "TP100_200_NS" TP100_200_NS 96.775,11.336 r90 top
TP39 "TP100_200_NS" TP100_200_NS 96.775,13.35 r90 top
TP40 "TP100_200_NS" TP100_200_NS 79.925,10.35 r90 top
TP41 "TP100_200_NS" TP100_200_NS 79.9,8.4 r90 top
TP42 "TP100_200_NS" TP100_200_NS 78.725,17.275 r90 top
TP43 "TP100_200_NS" TP100_200_NS 76.775,17.275 r90 top
TP44 "TP100_200_NS" TP100_200_NS 21.5,17.3 r90 top
TP45 "TP100_200_NS" TP100_200_NS 26.1,17.4 r90 top
TP46 "TP100_200_NS" TP100_200_NS 2,12.7 r90 top
TP47 "TP100_200_NS" TP100_200_NS 106.3,31.475 r90 top
TP48 "TP100_200_NS" TP100_200_NS 16,7.4 r90 top
TP49 "TP100_200_NS" TP100_200_NS 19.35,1.65 r270 top
TP50 "TP100_200_NS" TP100_200_NS 17.35,1.65 r270 top
TP51 "TP100_200_NS" TP100_200_NS 21.4,1.65 r270 top
TP52 "TP100_200_NS" TP100_200_NS 23.6,1.65 r270 top
TP53 "TP100_200_NS" TP100_200_NS 25.725,1.65 r270 top
TP54 "TP100_200_NS" TP100_200_NS 15.275,1.65 r270 top
TP55 "TP100_200_NS" TP100_200_NS 27.775,1.65 r270 top
TP56 "TP100_200_NS" TP100_200_NS 101.775,17.625 r0 top
TP57 "TP100_200_NS" TP100_200_NS 8.8,17.4 r0 top
TP58 "TP100_200_NS" TP100_200_NS 17.175,15.85 r270 top
TP59 "TP100_200_NS" TP100_200_NS 96.775,1.2 r270 top
U1 "AP2331W-7" AP2331W-7 108.807,34.218 r180 top
U2 "NUP4114HMR6T1G" SOT23-6 104.919,44.567 r270 bottom
U5 "TLV431" TLV431BCDBZR 56.119,22.1 r270 top
U6 "MIC2076-2YM" MIC2076-2YM 111.1,13.487 r270 bottom locked
U7 "24AA32A-I/MS 8-MSOP" 24AA32A-I/MS 2.2,5.95 r270 top locked
U8 "TLV70012DCK" TLV70012DCK 14.25,30.6 r0 bottom
U9 "TLV70028DCK" TLV70028DCK 9.4,30.6 r0 bottom
U10 "TPS65266RHBT" TPS65266RHBT 66.547,26.279 r90 bottom locked
U11 "74LVC1G07SE-7" 74LVC1G07SE-7 68.98,5.485 r270 bottom
U12 "BNO085" BNO085 19.445,9.778 r0 top
U13 "UPD720201K8-701-BAC-A" QFN40P800X800X90-69N 83.363,24.248 r180 top
U16 "SI3404-A-GM" Si3404-A-GM 42.585,29.079 r90 top locked
U18 "VO618A-3X017T" VO618A-3X017T 48.458,22.227 r180 top locked
Y1 "ABS06-127-32.768KHZ-T" ABS06-127-32.768KHZ-T 23.575,10.775 r270 top
Y2 "FA-12824.0000MF10Z-W3" EPSON-FA-128_V 81.4,31.1 r90 top

## Footprints (in the part's own frame and the unit in brackets; to place one, negate y for a bottom-side part, rotate by r counter-clockwise, add the part's x,y. Pads: shape width x height; smd on the part's side, far side on the other; paste and mask are expansions set on the pad)
1N4148W-7-F [mm] "SOD123, 2-Leads, Body 2.7x1.55mm, Height 1.45mm"
  rect 0.9x0.95 smd: 1(-1.575,0) 2(1.575,0)
  silkscreen extent -2.4,-0.87 0,0.87, body extent -1.35,-0.77 1.35,0.77, height 1.45
24AA32A-I/MS [mm] "Body: 3 x 3mm, pitch: 0.65mm"
  rect 1.4x0.35 smd mask+0.05: 1(-2.2,0.975)
  oval 1.4x0.35 smd mask+0.05: 2(-2.2,0.325) 3(-2.2,-0.325) 4(-2.2,-0.975) 5(2.2,-0.975) 6(2.2,-0.325) 7(2.2,0.325) 8(2.2,0.975)
  silkscreen extent -2.32,-1.5 1.2,1.73, body extent -2.45,-1.5 2.45,1.5, height 1.15
74LVC1G07SE-7 [mm] "SC70-5 1.1mm"
  rect 0.42x0.6 smd paste-0.025 mask+0.05: 1(-0.65,-0.95) 2(0,-0.95) 3(0.65,-0.95) 4(0.65,0.95) 5(-0.65,0.95)
  silkscreen extent -1.17,-1.63 -1.12,-1.57, body extent -1.1,-1.2 1.1,1.2, height 1.1
104031-0811 [mm] "10 (8 + 2) Position Card Connector Secure Digital - microSD™ Surface Mount, Right Angle Gold"
  rect 0.85x1.1 smd: 1(3.113,-5.412) 3(0.913,-5.412) 4(-0.188,-5.412) 5(-1.288,-5.412) 6(-2.387,-5.412) 7(-3.487,-5.412)
  rect 0.875x1.1 smd: 2(2.013,-5.412)
  rect 0.75x1.1 smd: 8(-4.537,-5.412)
  rect 1.2x1 smd: 9(5.748,0.738) 10(5.748,4.438)
  rect 1.9x1.35 smd: 11(2.248,5.413) 12(-3.722,5.413)
  rect 1.17x1.8 smd: 13(-5.747,-5.062)
  rect 1.55x1.35 smd: 14(5.573,-5.287)
  body extent -5.95,-5.65 6,5.75, height 1.44
10118194-0001LF [mm] "FCI-10118194-0001LF-5_V SMD, 5-Leads, Body 7x5mm, Pitch 0.65 mm"
  rect 0.4x1.35 smd: 1(-1.3,1.35) 2(-0.65,1.35) 3(0,1.35) 4(0.65,1.35) 5(1.3,1.35)
  oval 1.25x0.95 hole 0.55 slot 0.85 at 0 deg: 6(-2.5,1.35) 7(2.5,1.35)
  oval 0.9x1.55 hole 0.5 slot 1.15 at 90 deg: 8(-3.5,-1.35) 9(3.5,-1.35)
  rect 1.5x1.55 smd: 10(-1,-1.35) 11(1,-1.35)
  Top Copper region: 3.5,-2.125 3.5,-0.575 2.3,-0.575 2.3,-2.125
  Top Copper region: -2.3,-2.125 -2.3,-0.575 -3.5,-0.575 -3.5,-2.125
  silkscreen extent -3.5,-0.13 3.5,2.6, body extent -4.03,-4.03 4.02,1.55, height 2.72
20021121-00010T1LF [mm] "Connector Header Surface Mount 10 position 0.050\" (1.27mm)   Contact length: 0.120\" (3.05mm)"
  rect 0.76x2.4 smd: 1(-2.54,-1.95) 2(-2.54,1.95) 3(-1.27,-1.95) 4(-1.27,1.95) 5(0,-1.95) 6(0,1.95) 7(1.27,-1.95) 8(1.27,1.95) 9(2.54,-1.95) 10(2.54,1.95)
  body extent -3.18,-2.75 3.17,2.75, height 4.55
742792040 [mm] "Chip Inductor, 2-Leads, Body 2.0x1.2mm"
  rect 1x1 smd: 1(-1.1,0) 2(1.1,0)
  silkscreen extent -0.2,-0.6 0.2,0.6, body extent -1,-0.6 1,0.6, height 0.89
749119950 [mm] "SMD, 10-Leads, Body 13.5x14.0mm (max), Pitch 2.48mm, IPC Medium Density"
  rect 1.27x1.55 smd: 1(-5,8.275) 2(-2.5,8.275) 3(0,8.275) 4(2.5,8.275) 5(5,8.275) 6(5,-8.275) 7(2.5,-8.275) 8(0,-8.275) 9(-2.5,-8.275) 10(-5,-8.275)
  silkscreen extent -6.75,-6.75 6.75,8.25, body extent -6.75,-8.88 6.75,8.87, height 12.6
2508056017Y2 [mm] "2508056017Y2 Chip Inductor, 2-Leads, Body 2.00x1.25mm"
  rect 1.3x1.5 smd: 1(-0.95,0) 2(0.95,0)
  body extent -1.1,-0.72 1.1,0.73, height 1.45
9774030943R [mm] "STANDOFF_2.25mmX0.4_3MM with pad on bottom of PCB"
  round 5.3 / inner round 2.7 / far side round 5.3 hole 3 mask+0.05: 1(0,0)
  body extent -2.17,-2.17 2.18,2.17, height 3.05
685119248123 [mm] "Micro HDMI Horizontal SMT"
  rect 0.23x0.85 smd: 1(1.8,3.425) 3(1.4,3.425) 5(1,3.425) 7(0.6,3.425) 9(0.2,3.425) 11(-0.2,3.425) 13(-0.6,3.425) 15(-1,3.425) 17(-1.4,3.425) 19(-1.8,3.425)
  rect 0.23x1 smd: 2(1.6,2.2) 4(1.2,2.2) 6(0.8,2.2) 8(0.4,2.2) 10(0,2.2) 12(-0.4,2.2) 14(-0.8,2.2) 16(-1.2,2.2) 18(-1.6,2.2)
  round 0.81 hole 0.81 unplated: MH1(-1.5,0.33) MH2(1.5,0.33)
  oval 1.5x2.55 hole 0.65 slot 1.7 at 90 deg: Shell(-3.1,2.06) Shell(-3.1,-1.35) Shell(3.1,2.06) Shell(3.1,-1.35)
  silkscreen extent -3.25,0.2 3.25,3.75, body extent -3.25,-3.75 3.25,3.75, height 2.99
A6H-610x [mm] "DIP Sw, Std/SealTape Body 8.85x4.50mm, Pitch 1.27mm, IPC High Density"
  rect 1.25x0.76 smd: 1(-3.075,3.175) 2(-3.075,1.905) 3(-3.075,0.635) 4(-3.075,-0.635) 5(-3.075,-1.905) 6(-3.075,-3.175) 7(3.075,-3.175) 8(3.075,-1.905) 9(3.075,-0.635) 10(3.075,0.635) 11(3.075,1.905) 12(3.075,3.175)
  silkscreen extent -3.3,-4.55 2.02,4.55, body extent -3.35,-4.43 3.35,4.42, height 1.57
ABS06-127-32.768KHZ-T [mm] "2-SMD 0.079\" L x 0.047\" W (2.00mm x 1.20mm)"
  rect 0.75x1.4 smd: 1(-0.73,0) 2(0.73,0)
  body extent -1,-0.6 1,0.6, height 0.65
AC-PY003-OV9282 [mm] "connector: FH26W-33S-0.3SHW"
  rect 0.4x0.95 smd mask+0.05: 0(-5.488,-8.984) 0(5.512,-8.984)
  rect 0.3x0.65 smd mask+0.05: 1(4.812,-8.634) 2(4.52,-11.084) 3(4.212,-8.634) 4(3.92,-11.084) 5(3.612,-8.634) 6(3.32,-11.084) 7(3.012,-8.634) 8(2.72,-11.084) 9(2.412,-8.634) 10(2.12,-11.084) 11(1.812,-8.634) 12(1.52,-11.084) 13(1.212,-8.634) 14(0.92,-11.084) 15(0.612,-8.634) 16(0.32,-11.084) 17(0.012,-8.634) 18(-0.28,-11.084) 19(-0.588,-8.634) 20(-0.88,-11.084) 21(-1.188,-8.634) 22(-1.48,-11.084) 23(-1.788,-8.634) 24(-2.08,-11.084) 25(-2.388,-8.634) 26(-2.68,-11.084) 27(-2.988,-8.634) 28(-3.28,-11.084) 29(-3.588,-8.634) 30(-3.88,-11.084) 31(-4.188,-8.634) 32(-4.48,-11.084) 33(-4.788,-8.634)
  Top Copper keep-out region: -5.088,-7.981 5.131,-7.981 5.131,-7.138 -5.088,-7.138
  Top Copper keep-out region: -5.688,-10.602 5.73,-10.602 5.73,-9.573 -5.688,-9.573
  Top Copper keep-out region: -4.2,-4.2 4.3,-4.2 4.3,4.2 -4.2,4.2
  silkscreen extent -6.18,-11.68 6.21,5.42, body extent -5.69,-11.43 5.71,5.1, height 5.6
AC-PY004-IMX378 [mm] "connector: FH26W-33S-0.3SHW"
  rect 0.4x0.95 smd mask+0.05: 0(-5.488,-8.984) 0(5.512,-8.984)
  rect 0.3x0.65 smd mask+0.05: 1(4.812,-8.634) 2(4.52,-11.084) 3(4.212,-8.634) 4(3.92,-11.084) 5(3.612,-8.634) 6(3.32,-11.084) 7(3.012,-8.634) 8(2.72,-11.084) 9(2.412,-8.634) 10(2.12,-11.084) 11(1.812,-8.634) 12(1.52,-11.084) 13(1.212,-8.634) 14(0.92,-11.084) 15(0.612,-8.634) 16(0.32,-11.084) 17(0.012,-8.634) 18(-0.28,-11.084) 19(-0.588,-8.634) 20(-0.88,-11.084) 21(-1.188,-8.634) 22(-1.48,-11.084) 23(-1.788,-8.634) 24(-2.08,-11.084) 25(-2.388,-8.634) 26(-2.68,-11.084) 27(-2.988,-8.634) 28(-3.28,-11.084) 29(-3.588,-8.634) 30(-3.88,-11.084) 31(-4.188,-8.634) 32(-4.48,-11.084) 33(-4.788,-8.634)
  Top Copper keep-out region: -5.388,-5.436 5.412,-5.436 5.412,5.4 -5.388,5.4
  Top Copper keep-out region: -5.688,-10.602 5.73,-10.602 5.73,-9.573 -5.688,-9.573
  Top Copper keep-out region: -5.1,-8.2 5.119,-8.2 5.119,-7.357 -5.1,-7.357
  silkscreen extent -6.5,-11.68 6.52,6.4, body extent -5.69,-11.43 5.71,5.39, height 6.3
AP2331W-7 [mm]
  rect 0.8x1 smd: 1(-0.95,-1.2) 2(0.95,-1.2) 3(0,1.2)
  silkscreen extent -1.55,-0.02 1.55,0.85, body extent -1.55,-0.9 1.55,0.85, height 1.4
B2B-PH-K-S(LF)(SN) [mm] "3.4mm pins, 6mm housing"
  rect 1.368x1.368 hole 0.86: P1(1,-0.55)
  round 1.368 hole 0.86: P2(-1,-0.55)
  silkscreen extent -3.2,-2.5 3.2,2.5, body extent -2.95,-2.25 2.95,2.25, height 6
BAS16XV2T1G [mm] "SOD, 2-Leads, Body 1.2x0.8mm"
  rect 0.48x0.4 smd: 1(-0.66,0) 2(0.66,0)
  silkscreen extent -0.95,-0.4 0.07,0.55, body extent -0.6,-0.4 0.6,0.4, height 0.7
BNO085 [mm] "28-TFLGA Module (5.2x3.8)"
  rect 0.675x0.25 smd paste+0 mask+0: 1(1.562,2.25) 6(-1.562,2.25) 7(-1.562,1.75) 8(-1.562,1.25) 9(-1.562,0.75) 10(-1.562,0.25) 11(-1.562,-0.25) 12(-1.562,-0.75) 13(-1.562,-1.25) 14(-1.562,-1.75) 15(-1.562,-2.25) 20(1.562,-2.25) 21(1.562,-1.75) 22(1.562,-1.25) 23(1.562,-0.75) 24(1.562,-0.25) 25(1.562,0.25) 26(1.562,0.75) 27(1.562,1.25) 28(1.562,1.75)
  rect 0.25x0.575 smd paste+0 mask+0: 2(0.75,2.312) 3(0.25,2.312) 4(-0.25,2.312) 5(-0.75,2.312) 16(-0.75,-2.312) 17(-0.25,-2.312) 18(0.25,-2.312) 19(0.75,-2.312)
  silkscreen extent -2.3,-3.08 2.84,3.08, body extent -1.9,-2.6 1.9,2.6, height 1.18
CAPC0201(0603)33_L [mm] "Chip Capacitor, Body 0.6x0.3mm, Height 0.33mm, IPC High Density"
  rect 0.36x0.32 smd: 1(-0.28,0) 2(0.28,0)
  body extent -0.32,-0.17 0.32,0.17, height 0.33
CAPC0402(1005)60_N [mm] "Chip Capacitor, Body 1.0x0.5mm, Height 0.6mm, IPC Medium Density"
  rect 0.62x0.62 smd: 1(-0.45,0) 2(0.45,0)
  body extent -0.55,-0.3 0.55,0.3, height 0.6
CAPC0402(1005)70_L [mm] "Chip Capacitor, Body 1.0x0.5mm, Height 0.7mm, IPC High Density"
  rect 0.52x0.52 smd: 1(-0.4,0) 2(0.4,0)
  body extent -0.55,-0.3 0.55,0.3, height 0.7
CAPC0402(1005)70_N [mm] "Chip Capacitor, Body 1.0x0.5mm, Height 0.7mm, IPC Medium Density"
  rect 0.62x0.62 smd: 1(-0.45,0) 2(0.45,0)
  body extent -0.55,-0.3 0.55,0.3, height 0.7
CAPC0603(1608)100_L [mm] "Chip Capacitor, Body 1.6x0.8mm, Height 1.0mm, IPC High Density"
  rect 0.7x0.9 smd: 1(-0.7,0) 2(0.7,0)
  silkscreen extent -0.05,-0.35 0.05,0.35, body extent -0.87,-0.47 0.88,0.48, height 1
CAPC0603(1608)100_N [mm] "Chip Capacitor, Body 1.6x0.8mm, Height 1.0mm, IPC Medium Density"
  rect 0.9x1 smd: 1(-0.8,0) 2(0.8,0)
  silkscreen extent -0.05,-0.4 0.05,0.4, body extent -0.87,-0.48 0.88,0.47, height 1